# Allegro board TubiiPCB_V6.brd (continued)
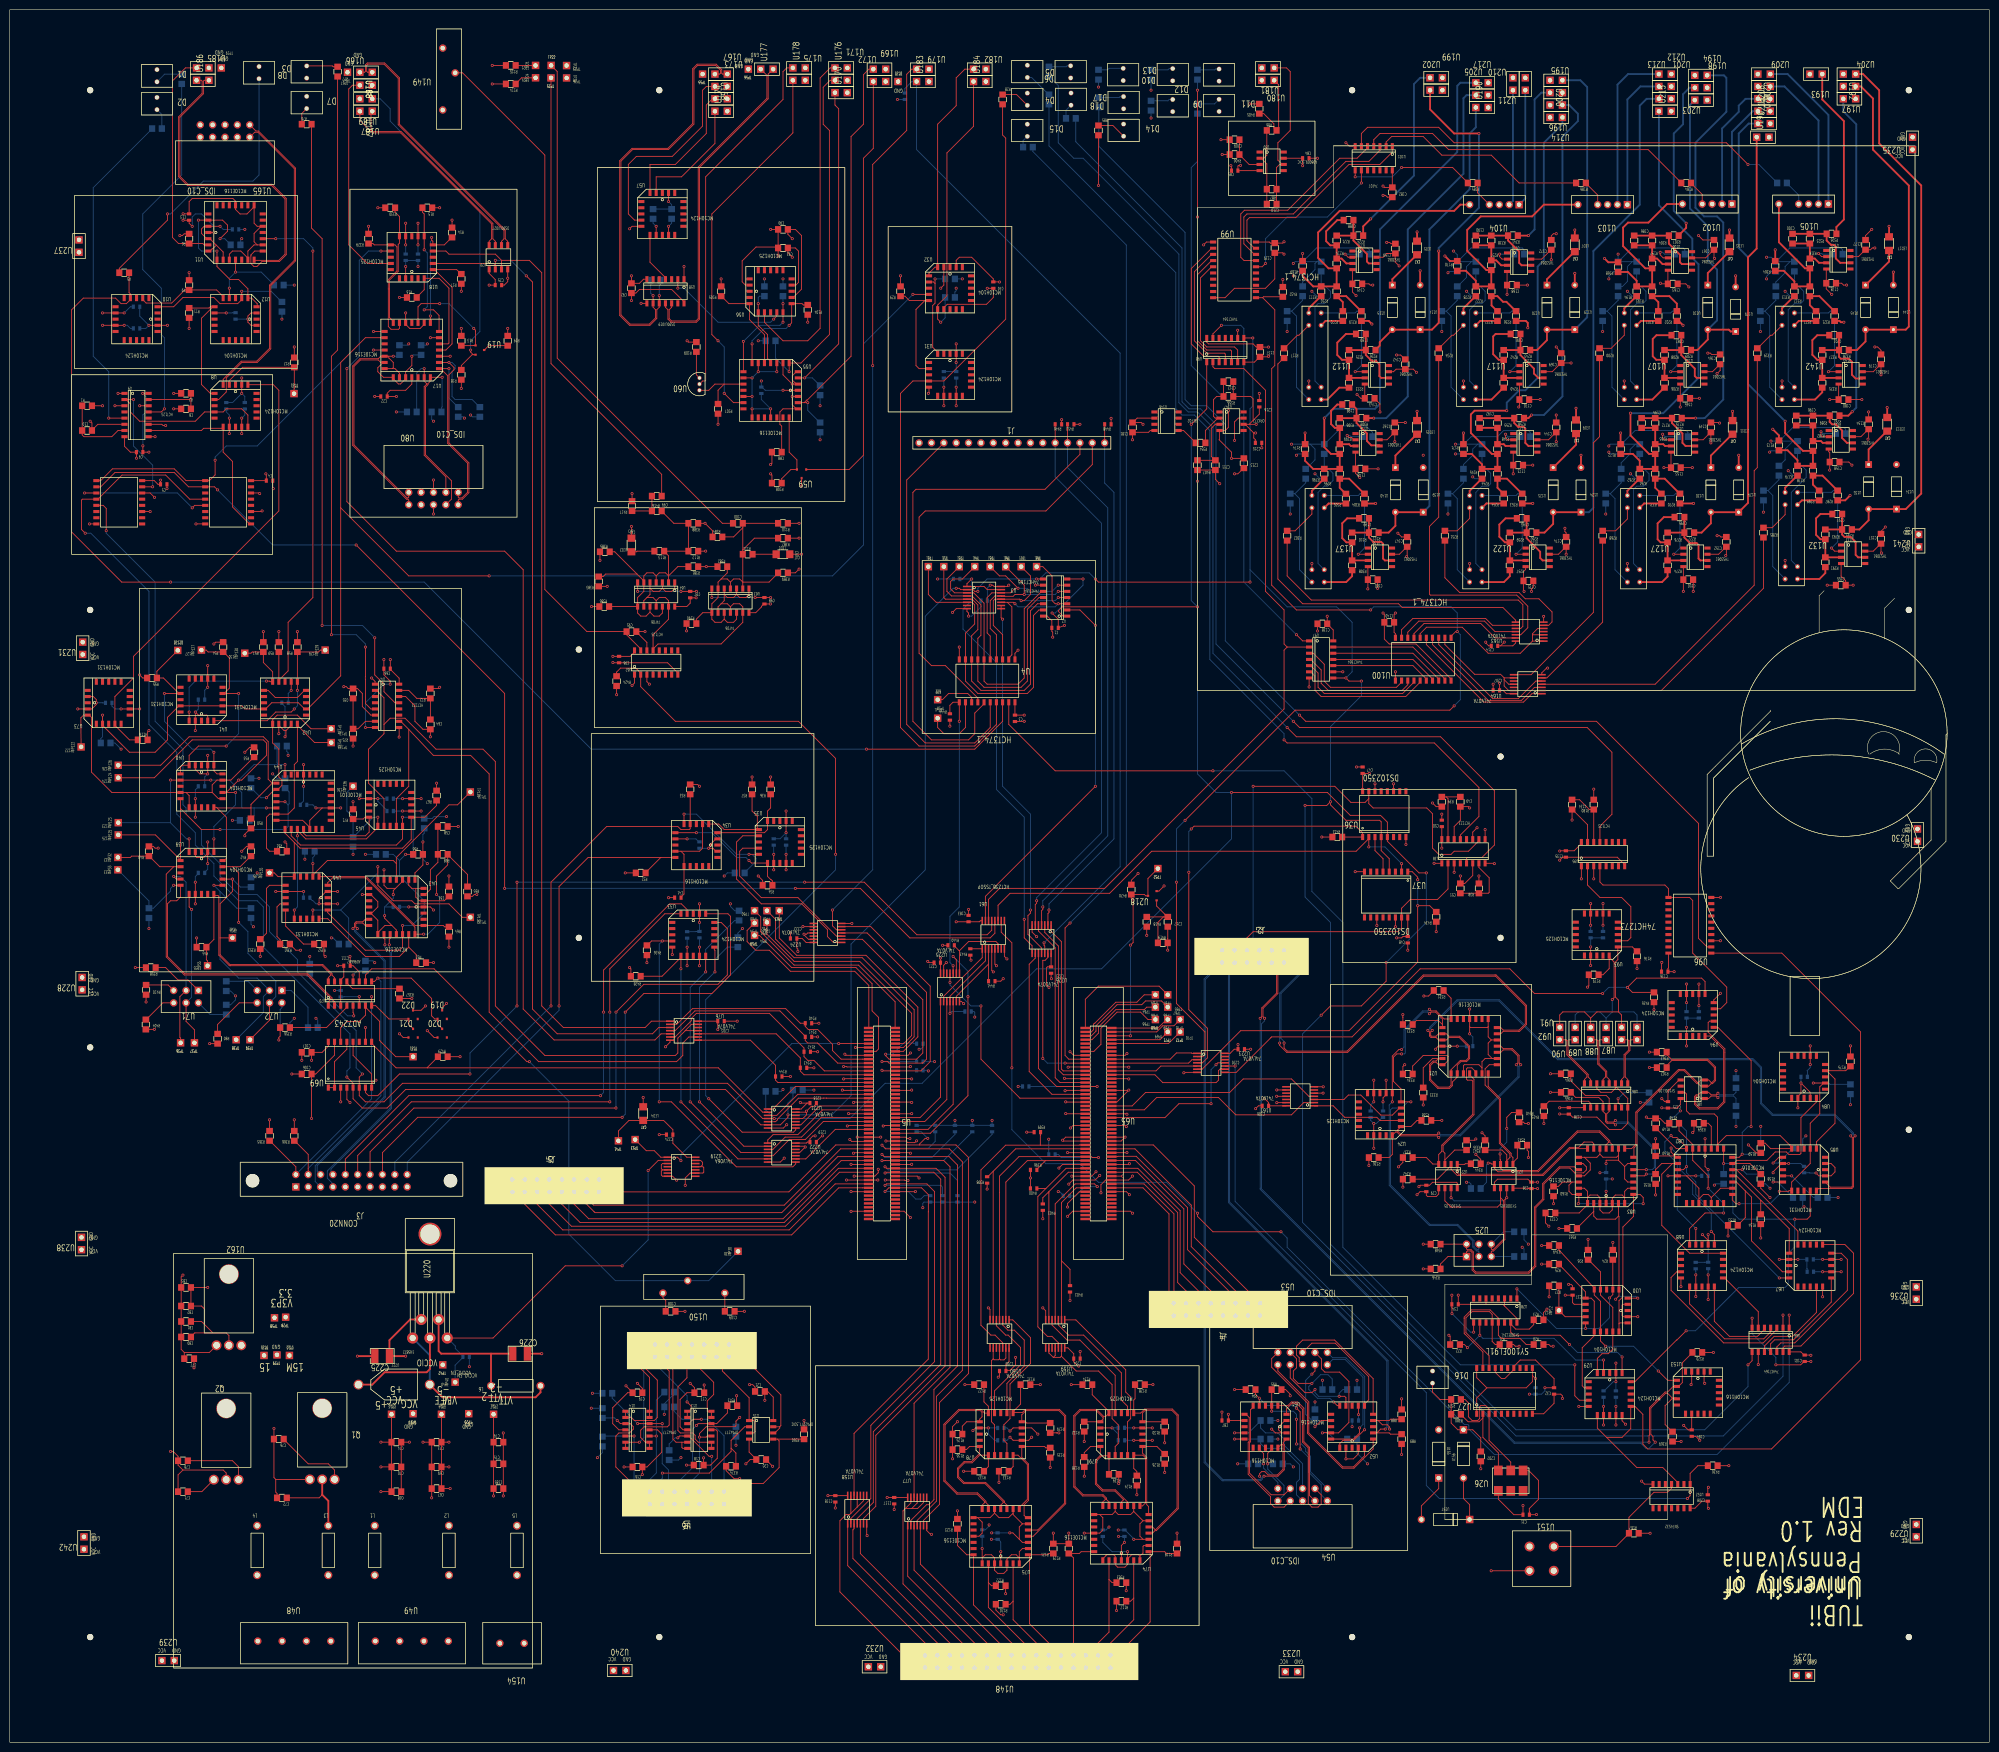
[diagram p0: board, top side]
## Routing (per net, layer and track width the routed paths; a pad name or vN(x,y) marks a point on that pad's centre or on a via; arc(x,y) is an arc through that point) (continued)
; v1(369.77,78.15) 369.38,78.55 ; v1(369.77,78.15) 369.38,77.76 ; v1(369.77,78.15) 370.17,78.55 ; v1(263.52,300.99) 263.92,301.38 ; v1(263.52,300.99) 263.92,300.6 ; v1(263.52,300.99) 263.13,301.38 ; v1(263.52,300.99) 263.13,300.6 ; U49.3 85.71,21.44 ; U49.3 84.37,20.09 ; U49.3 84.37,21.44 ; U49.3 85.71,20.09 ; v1(312.67,254.27) 313.07,253.88 ; v1(312.67,254.27) 313.07,254.66 ; v1(312.67,254.27) 312.28,253.88 ; v1(312.67,254.27) 312.28,254.66 ; v1(152.4,280.04) 152.79,280.43 ; v1(152.4,280.04) 152.01,280.43 ; v1(152.4,280.04) 152.01,279.64 ; v1(152.4,280.04) 152.79,279.64 ; 208.42,344.7 D5.1 ; D5.1 209.41,343.71 ; D5.1 208.42,343.71 ; D5.1 209.41,344.7 ; 324.8,177.61 v1(325.2,177.21) ; v1(325.2,177.21) 325.59,176.82 ; v1(325.2,177.21) 324.8,176.82 ; v1(325.2,177.21) 325.59,177.61 ; 299.96,260.11 v1(300.35,259.72) ; v1(300.35,259.72) 300.75,259.32 ; v1(300.35,259.72) 300.75,260.11 ; v1(300.35,259.72) 299.96,259.32 ; v1(172.72,113.03) 173.11,112.64 ; v1(172.72,113.03) 172.33,113.42 ; v1(172.72,113.03) 172.33,112.64 ; v1(172.72,113.03) 173.11,113.42 ; 56.12,205.98 v1(56.52,206.38) ; v1(56.52,206.38) 56.12,206.77 ; v1(56.52,206.38) 56.91,206.77 ; v1(56.52,206.38) 56.91,205.98 ; 386.04,298.41 386.71,299.08 ; 386.71,299.08 387.39,299.76 ; 386.71,299.08 387.39,298.41 ; 386.71,299.08 386.04,299.76 ; v1(260.12,133.88) 260.52,133.49 ; v1(260.12,133.88) 259.73,133.49 ; v1(260.12,133.88) 260.52,134.28 ; v1(260.12,133.88) 259.73,134.28 ; v1(230.5,108.59) 230.9,108.19 ; v1(230.5,108.59) 230.11,108.19 ; v1(230.5,108.59) 230.9,108.98 ; v1(230.5,108.59) 230.11,108.98 ; 140.9,50.75 U6.5 ; U6.5 142.25,52.1 ; U6.5 142.25,50.75 ; U6.5 140.9,52.1 ; v1(141.6,168.28) 142,167.88 ; v1(141.6,168.28) 141.21,168.67 ; v1(141.6,168.28) 142,168.67 ; v1(141.6,168.28) 141.21,167.88 ; 293.61,289.17 v1(294,289.56) ; v1(294,289.56) 293.61,289.95 ; v1(294,289.56) 294.4,289.95 ; v1(294,289.56) 294.4,289.17 ; 189.76,15.98 U148.30 ; U148.30 191.11,15.98 ; U148.30 189.76,14.63 ; U148.30 191.11,14.63 ; 281.55,317.11 v1(281.94,317.5) ; v1(281.94,317.5) 282.33,317.11 ; v1(281.94,317.5) 281.55,317.89 ; v1(281.94,317.5) 282.33,317.89 ; 188.07,159.88 v1(188.47,160.27) ; v1(188.47,160.27) 188.86,159.88 ; v1(188.47,160.27) 188.86,160.67 ; v1(188.47,160.27) 188.07,160.67 ; U197.2 377.1,339.18 ; U197.2 377.1,340.53 ; U197.2 375.75,339.18 ; U197.2 375.75,340.53 ; 184.52,121.3 v1(184.91,120.9) ; v1(184.91,120.9) 185.31,121.3 ; v1(184.91,120.9) 185.31,120.51 ; v1(184.91,120.9) 184.52,120.51 ; v1(74.68,289.56) 75.07,289.17 ; v1(74.68,289.56) 74.28,289.17 ; v1(74.68,289.56) 74.28,289.95 ; v1(74.68,289.56) 75.07,289.95 ; 134.86,316.62 v1(135.25,316.23) ; v1(135.25,316.23) 135.65,316.62 ; v1(135.25,316.23) 135.65,315.84 ; v1(135.25,316.23) 134.86,315.84 ; 346.32,308.85 v1(346.71,309.25) ; v1(346.71,309.25) 347.1,309.64 ; v1(346.71,309.25) 346.32,309.64 ; v1(346.71,309.25) 347.1,308.85 ; v1(157.75,305.07) 158.14,305.46 ; v1(157.75,305.07) 157.36,304.68 ; v1(157.75,305.07) 157.36,305.46 ; v1(157.75,305.07) 158.14,304.68 ; v1(267.33,297.81) 267.73,297.42 ; v1(267.33,297.81) 266.94,298.21 ; v1(267.33,297.81) 267.73,298.21 ; v1(267.33,297.81) 266.94,297.42 ; 263.74,13.8 U233.2 ; U233.2 265.09,13.8 ; U233.2 265.09,15.15 ; U233.2 263.74,15.15 ; 80.89,293.76 v1(81.28,293.37) ; v1(81.28,293.37) 81.67,292.98 ; v1(81.28,293.37) 81.67,293.76 ; v1(81.28,293.37) 80.89,292.98 ; 99.95,20.99 U154.2 ; U154.2 101.3,19.65 ; U154.2 101.3,20.99 ; U154.2 99.95,19.65 ; 284.59,248.55 v1(284.99,248.16) ; v1(284.99,248.16) 284.59,247.76 ; v1(284.99,248.16) 285.38,247.76 ; v1(284.99,248.16) 285.38,248.55 ; 340.45,336.64 U201.2 ; U201.2 341.8,336.64 ; U201.2 341.8,337.99 ; U201.2 340.45,337.99 ; U194.2 349.16,338.92 ; U194.2 349.16,340.27 ; U194.2 347.81,340.27 ; U194.2 347.81,338.92 ; 127.37,256.68 v1(127.76,256.29) ; v1(127.76,256.29) 128.16,256.68 ; v1(127.76,256.29) 127.37,255.89 ; v1(127.76,256.29) 128.16,255.89 ; v1(327.66,252.1) 328.05,251.7 ; v1(327.66,252.1) 328.05,252.49 ; v1(327.66,252.1) 327.27,251.7 ; v1(327.66,252.1) 327.27,252.49 ; 199.73,344.08 U182.2 ; U182.2 201.08,342.73 ; U182.2 201.08,344.08 ; U182.2 199.73,342.73 ; 238.28,88.24 J4.16 ; J4.16 238.28,86.89 ; J4.16 239.62,86.89 ; J4.16 239.62,88.24 ; 228.08,115.81 v1(228.48,116.2) ; v1(228.48,116.2) 228.87,115.81 ; v1(228.48,116.2) 228.87,116.59 ; v1(228.48,116.2) 228.08,116.59 ; 91.68,187.57 v1(92.08,187.96) ; v1(92.08,187.96) 92.47,188.35 ; v1(92.08,187.96) 92.47,187.57 ; v1(92.08,187.96) 91.68,188.35 ; D18.1 229.17,334.78 ; D18.1 229.17,335.77 ; D18.1 228.18,334.78 ; D18.1 228.18,335.77 ; v1(332.74,260.35) 333.13,259.96 ; v1(332.74,260.35) 332.35,260.74 ; v1(332.74,260.35) 333.13,260.74 ; v1(332.74,260.35) 332.35,259.96 ; U162.1 43.22,80.71 ; U162.1 41.69,80.71 ; U162.1 43.22,82.23 ; U162.1 41.69,82.23 ; 60.85,53.19 Q1.1 ; Q1.1 60.85,54.71 ; Q1.1 62.37,54.71 ; Q1.1 62.37,53.19 ; v1(134.38,67.31) 134.77,67.7 ; v1(134.38,67.31) 133.99,67.7 ; v1(134.38,67.31) 134.77,66.92 ; v1(134.38,67.31) 133.99,66.92 ; 243.36,86.89 J4.12 ; J4.12 244.7,88.24 ; J4.12 243.36,88.24 ; J4.12 244.7,86.89 ; 340.45,341.72 U213.2 ; U213.2 341.8,343.07 ; U213.2 340.45,343.07 ; U213.2 341.8,341.72 ; 302.86,339.94 U217.2 ; U217.2 304.2,339.94 ; U217.2 304.2,341.29 ; U217.2 302.86,341.29 ; J3.17 79.73,113.31 ; J3.17 78.38,114.66 ; J3.17 79.73,114.66 ; J3.17 78.38,113.31 ; v1(69.85,131.32) 70.24,130.92 ; v1(69.85,131.32) 69.46,131.71 ; v1(69.85,131.32) 69.46,130.92 ; v1(69.85,131.32) 70.24,131.71 ; U176.2 172.63,342.99 ; U176.2 171.28,344.34 ; U176.2 171.28,342.99 ; U176.2 172.63,344.34 ; J4.4 254.86,86.89 ; J4.4 254.86,88.24 ; J4.4 253.52,86.89 ; J4.4 253.52,88.24 ; 227.19,43.95 v1(227.58,43.56) ; v1(227.58,43.56) 227.98,43.95 ; v1(227.58,43.56) 227.98,43.17 ; v1(227.58,43.56) 227.19,43.17 ; v1(156.21,234.95) 156.6,234.56 ; v1(156.21,234.95) 155.82,235.34 ; v1(156.21,234.95) 156.6,235.34 ; v1(156.21,234.95) 155.82,234.56 ; U16.5 138.18,79.78 ; U16.5 136.83,78.44 ; U16.5 138.18,78.44 ; U16.5 136.83,79.78 ; 327.9,264.4 v1(328.29,264.8) ; v1(328.29,264.8) 328.69,265.19 ; v1(328.29,264.8) 328.69,264.4 ; v1(328.29,264.8) 327.9,265.19 ; 353.66,298.03 U109.2 ; U109.2 355,299.38 ; U109.2 353.66,299.38 ; U109.2 355,298.03 ; 85.97,287.9 v1(86.36,288.29) ; v1(86.36,288.29) 86.75,288.68 ; v1(86.36,288.29) 85.97,288.68 ; v1(86.36,288.29) 86.75,287.9 ; 162.67,65.65 v1(163.07,66.04) ; v1(163.07,66.04) 163.46,66.43 ; v1(163.07,66.04) 163.46,65.65 ; v1(163.07,66.04) 162.67,66.43 ; v1(171.2,136.14) 171.59,135.75 ; v1(171.2,136.14) 171.59,136.54 ; v1(171.2,136.14) 170.8,136.54 ; v1(171.2,136.14) 170.8,135.75 ; v1(304.55,217.17) 304.94,216.78 ; v1(304.55,217.17) 304.15,216.78 ; v1(304.55,217.17) 304.15,217.56 ; v1(304.55,217.17) 304.94,217.56 ; 152.01,276.62 v1(152.4,276.23) ; v1(152.4,276.23) 152.79,276.62 ; v1(152.4,276.23) 152.79,275.83 ; v1(152.4,276.23) 152.01,275.83 ; v1(38.1,207.64) 38.49,208.04 ; v1(38.1,207.64) 38.49,207.25 ; v1(38.1,207.64) 37.71,208.04 ; v1(38.1,207.64) 37.71,207.25 ; 350.63,270.37 v1(351.03,270.76) ; v1(351.03,270.76) 351.42,271.16 ; v1(351.03,270.76) 350.63,271.16 ; v1(351.03,270.76) 351.42,270.37 ; U220.3 87.26,83.95 ; U220.3 85.29,83.95 ; U220.3 87.26,81.98 ; U220.3 85.29,81.98 ; TP28.1 57.32,86.58 ; TP28.1 55.97,86.58 ; TP28.1 57.32,87.92 ; TP28.1 55.97,87.92 ; U173.2 147.99,337.99 ; U173.2 146.65,336.64 ; U173.2 146.65,337.99 ; U173.2 147.99,336.64 ; 275.2,65.16 v1(275.59,64.77) ; v1(275.59,64.77) 275.98,65.16 ; v1(275.59,64.77) 275.98,64.38 ; v1(275.59,64.77) 275.2,64.38 ; v1(345.52,125.14) 345.91,124.75 ; v1(345.52,125.14) 345.12,124.75 ; v1(345.52,125.14) 345.91,125.54 ; v1(345.52,125.14) 345.12,125.54 ; 204.91,42.58 v1(205.31,42.98) ; v1(205.31,42.98) 205.7,43.37 ; v1(205.31,42.98) 205.7,42.58 ; v1(205.31,42.98) 204.91,43.37 ; v1(159,119.89) 159.4,119.49 ; v1(159,119.89) 158.61,119.49 ; v1(159,119.89) 158.61,120.28 ; v1(159,119.89) 159.4,120.28 ; 42.76,344.34 TP19.1 ; TP19.1 42.76,342.99 ; TP19.1 44.11,344.34 ; TP19.1 44.11,342.99 ; 76.44,178.68 v1(76.84,179.07) ; v1(76.84,179.07) 77.23,178.68 ; v1(76.84,179.07) 77.23,179.46 ; v1(76.84,179.07) 76.44,179.46 ; v1(41.04,143.4) 41.43,143 ; v1(41.04,143.4) 40.64,143 ; v1(41.04,143.4) 41.43,143.79 ; v1(41.04,143.4) 40.64,143.79 ; U209.2 362.12,336.64 ; U209.2 360.77,336.64 ; U209.2 362.12,337.99 ; U209.2 360.77,337.99 ; 40.25,180.73 v1(40.64,180.34) ; v1(40.64,180.34) 41.03,180.73 ; v1(40.64,180.34) 41.03,179.95 ; v1(40.64,180.34) 40.25,179.95 ; v1(248.87,67.77) 249.26,67.37 ; v1(248.87,67.77) 248.48,67.37 ; v1(248.87,67.77) 248.48,68.16 ; v1(248.87,67.77) 249.26,68.16 ; 26.28,273.93 v1(26.67,274.32) ; v1(26.67,274.32) 26.28,274.71 ; v1(26.67,274.32) 27.06,273.93 ; v1(26.67,274.32) 27.06,274.71 ; v1(38.23,250.06) 38.62,249.67 ; v1(38.23,250.06) 38.62,250.46 ; v1(38.23,250.06) 37.83,249.67 ; v1(38.23,250.06) 37.83,250.46 ; v1(157.48,281.31) 157.87,281.7 ; v1(157.48,281.31) 157.09,280.91 ; v1(157.48,281.31) 157.87,280.91 ; v1(157.48,281.31) 157.09,281.7 ; U228.2 15.53,157.65 ; U228.2 14.19,157.65 ; U228.2 15.53,156.3 ; U228.2 14.19,156.3 ; 261.86,289.95 v1(262.25,289.56) ; v1(262.25,289.56) 262.65,289.95 ; v1(262.25,289.56) 261.86,289.17 ; v1(262.25,289.56) 262.65,289.17 ; TP27.1 83.48,68.11 ; TP27.1 83.48,66.76 ; TP27.1 82.13,68.11 ; TP27.1 82.13,66.76 ; 146.65,339.18 U167.2 ; U167.2 147.99,339.18 ; U167.2 146.65,340.53 ; U167.2 147.99,340.53 ; 181.19,48.17 v1(181.58,47.78) ; v1(181.58,47.78) 181.19,47.38 ; v1(181.58,47.78) 181.98,47.38 ; v1(181.58,47.78) 181.98,48.17 ; v1(329.75,74.01) 330.14,73.62 ; v1(329.75,74.01) 329.35,73.62 ; v1(329.75,74.01) 329.35,74.4 ; v1(329.75,74.01) 330.14,74.4 ; 248.44,86.89 J4.8 ; J4.8 248.44,88.24 ; J4.8 249.78,88.24 ; J4.8 249.78,86.89 ; U16.12 145.8,80.98 ; U16.12 145.8,82.32 ; U16.12 144.45,80.98 ; U16.12 144.45,82.32 ; v1(359.41,289.56) 359.8,289.17 ; v1(359.41,289.56) 359.8,289.95 ; v1(359.41,289.56) 359.02,289.17 ; v1(359.41,289.56) 359.02,289.95 ; 384.67,249.03 v1(385.06,249.43) ; v1(385.06,249.43) 385.46,249.03 ; v1(385.06,249.43) 385.46,249.82 ; v1(385.06,249.43) 384.67,249.82 ; 172.33,108.57 v1(172.72,108.97) ; v1(172.72,108.97) 173.11,109.36 ; v1(172.72,108.97) 173.11,108.57 ; v1(172.72,108.97) 172.33,109.36 ; 29.31,146.71 v1(29.7,146.32) ; v1(29.7,146.32) 29.31,145.93 ; v1(29.7,146.32) 30.1,146.71 ; v1(29.7,146.32) 30.1,145.93 ; 204.33,160.39 v1(204.72,160.78) ; v1(204.72,160.78) 205.12,161.18 ; v1(204.72,160.78) 205.12,160.39 ; v1(204.72,160.78) 204.33,161.18 ; 15.99,250.46 v1(16.38,250.06) ; v1(16.38,250.06) 16.78,249.67 ; v1(16.38,250.06) 15.99,249.67 ; v1(16.38,250.06) 16.78,250.46 ; v1(74.93,276.23) 75.32,276.62 ; v1(74.93,276.23) 75.32,275.83 ; v1(74.93,276.23) 74.54,275.83 ; v1(74.93,276.23) 74.54,276.62 ; v1(201.07,44.61) 201.46,44.22 ; v1(201.07,44.61) 200.68,44.22 ; v1(201.07,44.61) 201.46,45 ; v1(201.07,44.61) 200.68,45 ; v1(334.23,87.35) 334.63,86.95 ; v1(334.23,87.35) 333.84,86.95 ; v1(334.23,87.35) 334.63,87.74 ; v1(334.23,87.35) 333.84,87.74 ; v1(81.28,302.89) 81.67,302.5 ; v1(81.28,302.89) 81.67,303.29 ; v1(81.28,302.89) 80.89,303.29 ; v1(81.28,302.89) 80.89,302.5 ; v1(260.13,131.28) 260.53,130.89 ; v1(260.13,131.28) 259.74,130.89 ; v1(260.13,131.28) 259.74,131.68 ; v1(260.13,131.28) 260.53,131.68 ; v1(176.02,42.42) 176.42,42.81 ; v1(176.02,42.42) 175.63,42.81 ; v1(176.02,42.42) 175.63,42.02 ; v1(176.02,42.42) 176.42,42.02 ; U148.2 226.67,14.63 ; U148.2 225.32,15.98 ; U148.2 225.32,14.63 ; U148.2 226.67,15.98 ; v1(361.31,264.8) 361.71,265.19 ; v1(361.31,264.8) 360.92,265.19 ; v1(361.31,264.8) 360.92,264.4 ; v1(361.31,264.8) 361.71,264.4 ; 347.12,104.58 v1(347.51,104.19) ; v1(347.51,104.19) 347.91,104.58 ; v1(347.51,104.19) 347.91,103.79 ; v1(347.51,104.19) 347.12,103.79 ; 184.77,135.75 v1(185.17,136.14) ; v1(185.17,136.14) 184.77,136.54 ; v1(185.17,136.14) 185.56,136.54 ; v1(185.17,136.14) 185.56,135.75 ; 327.9,299.96 v1(328.29,300.36) ; v1(328.29,300.36) 328.69,300.75 ; v1(328.29,300.36) 327.9,300.75 ; v1(328.29,300.36) 328.69,299.96 ; J2.7 257.21,159.35 ; J2.7 255.87,160.69 ; J2.7 255.87,159.35 ; J2.7 257.21,160.69 ; U6.6 142.25,48.21 ; U6.6 142.25,49.56 ; U6.6 140.9,49.56 ; U6.6 140.9,48.21 ; v1(243.84,258.83) 244.23,259.22 ; v1(243.84,258.83) 243.45,259.22 ; v1(243.84,258.83) 243.45,258.43 ; v1(243.84,258.83) 244.23,258.43 ; 51.04,161.68 v1(51.44,161.29) ; v1(51.44,161.29) 51.83,160.9 ; v1(51.44,161.29) 51.83,161.68 ; v1(51.44,161.29) 51.04,160.9 ; U16.6 138.18,82.32 ; U16.6 136.83,82.32 ; U16.6 136.83,80.98 ; U16.6 138.18,80.98 ; v1(162.56,243.84) 162.95,243.45 ; v1(162.56,243.84) 162.17,243.45 ; v1(162.56,243.84) 162.95,244.23 ; v1(162.56,243.84) 162.17,244.23 ; 216.14,136.66 v1(216.53,136.27) ; v1(216.53,136.27) 216.93,135.88 ; v1(216.53,136.27) 216.93,136.66 ; v1(216.53,136.27) 216.14,135.88 ; v1(248.41,258.32) 248.81,257.92 ; v1(248.41,258.32) 248.02,258.71 ; v1(248.41,258.32) 248.81,258.71 ; v1(248.41,258.32) 248.02,257.92 ; 188.05,340.19 U183.2 ; U183.2 189.4,340.19 ; U183.2 188.05,341.54 ; U183.2 189.4,341.54 ; 55.26,20.09 U48.2 ; U48.2 56.6,20.09 ; U48.2 56.6,21.44 ; U48.2 55.26,21.44 ; 222.78,14.63 U148.4 ; U148.4 224.13,15.98 ; U148.4 222.78,15.98 ; U148.4 224.13,14.63 ; 141.57,343.07 TP55.1 ; TP55.1 142.91,343.07 ; TP55.1 142.91,341.72 ; TP55.1 141.57,341.72 ; v1(299.72,145.41) 300.11,145.02 ; v1(299.72,145.41) 299.33,145.02 ; v1(299.72,145.41) 300.11,145.81 ; v1(299.72,145.41) 299.33,145.81 ; U207.2 359.58,340.53 ; U207.2 358.23,340.53 ; U207.2 358.23,339.18 ; U207.2 359.58,339.18 ; U174.2 147.99,335.45 ; U174.2 146.65,334.1 ; U174.2 146.65,335.45 ; U174.2 147.99,334.1 ; v1(144.15,234.95) 144.54,235.34 ; v1(144.15,234.95) 143.75,234.56 ; v1(144.15,234.95) 143.75,235.34 ; v1(144.15,234.95) 144.54,234.56 ; v1(254.76,142.24) 255.16,141.85 ; v1(254.76,142.24) 254.37,141.85 ; v1(254.76,142.24) 255.16,142.63 ; v1(254.76,142.24) 254.37,142.63 ; U184.2 201.08,341.54 ; U184.2 199.73,341.54 ; U184.2 199.73,340.19 ; U184.2 201.08,340.19 ; v1(141.6,172.09) 142,172.48 ; v1(141.6,172.09) 141.21,171.69 ; v1(141.6,172.09) 141.21,172.48 ; v1(141.6,172.09) 142,171.69 ; v1(136.91,115.37) 137.3,115.76 ; v1(136.91,115.37) 136.51,114.97 ; v1(136.91,115.37) 136.51,115.76 ; v1(136.91,115.37) 137.3,114.97 ; v1(127.76,216.92) 128.16,216.52 ; v1(127.76,216.92) 127.37,216.52 ; v1(127.76,216.92) 127.37,217.31 ; v1(127.76,216.92) 128.16,217.31 ; U124.2 323.25,262.29 ; U124.2 323.25,260.95 ; U124.2 321.91,260.95 ; U124.2 321.91,262.29 ; 364.73,260.59 v1(365.12,260.99) ; v1(365.12,260.99) 365.52,260.59 ; v1(365.12,260.99) 365.52,261.38 ; v1(365.12,260.99) 364.73,261.38 ; 29.45,268.36 v1(29.85,267.97) ; v1(29.85,267.97) 30.24,268.36 ; v1(29.85,267.97) 29.45,267.58 ; v1(29.85,267.97) 30.24,267.58 ; 48.5,291.71 v1(48.89,292.1) ; v1(48.89,292.1) 49.29,291.71 ; v1(48.89,292.1) 48.5,292.49 ; v1(48.89,292.1) 49.29,292.49 ; 359.65,252.87 v1(360.04,252.48) ; v1(360.04,252.48) 359.65,252.08 ; v1(360.04,252.48) 360.44,252.08 ; v1(360.04,252.48) 360.44,252.87 ; v1(282.7,307.85) 283.1,308.24 ; v1(282.7,307.85) 282.31,307.45 ; v1(282.7,307.85) 283.1,307.45 ; v1(282.7,307.85) 282.31,308.24 ; 72,173.6 v1(72.39,173.99) ; v1(72.39,173.99) 72.78,174.38 ; v1(72.39,173.99) 72.78,173.6 ; v1(72.39,173.99) 72,174.38 ; v1(324.56,159.43) 324.95,159.04 ; v1(324.56,159.43) 324.17,159.04 ; v1(324.56,159.43) 324.17,159.83 ; v1(324.56,159.43) 324.95,159.83 ; v1(304.8,180.34) 305.19,180.73 ; v1(304.8,180.34) 304.41,180.73 ; v1(304.8,180.34) 304.41,179.95 ; v1(304.8,180.34) 305.19,179.95 ; 92.32,277.48 v1(92.71,277.88) ; v1(92.71,277.88) 93.1,277.48 ; v1(92.71,277.88) 92.32,278.27 ; v1(92.71,277.88) 93.1,278.27 ; 193.15,231.51 v1(193.55,231.9) ; v1(193.55,231.9) 193.15,232.3 ; v1(193.55,231.9) 193.94,231.51 ; v1(193.55,231.9) 193.94,232.3 ; 361.56,269.1 v1(361.95,269.49) ; v1(361.95,269.49) 362.34,269.89 ; v1(361.95,269.49) 361.56,269.89 ; v1(361.95,269.49) 362.34,269.1 ; D13.2 229.1,341.56 ; D13.2 229.1,340.57 ; D13.2 228.1,340.57 ; D13.2 228.1,341.56 ; v1(368.38,109.9) 368.77,110.3 ; v1(368.38,109.9) 367.98,109.51 ; v1(368.38,109.9) 367.98,110.3 ; v1(368.38,109.9) 368.77,109.51 ; v1(215.39,117.86) 215.79,117.46 ; v1(215.39,117.86) 215,118.25 ; v1(215.39,117.86) 215,117.46 ; v1(215.39,117.86) 215.79,118.25 ; v1(189.23,42.67) 189.62,43.07 ; v1(189.23,42.67) 189.62,42.28 ; v1(189.23,42.67) 188.84,43.07 ; v1(189.23,42.67) 188.84,42.28 ; 247.79,341.43 D12.1 ; D12.1 248.78,340.44 ; D12.1 247.79,340.44 ; D12.1 248.78,341.43 ; 348.35,52.72 v1(348.74,52.32) ; v1(348.74,52.32) 348.35,51.93 ; v1(348.74,52.32) 349.14,52.72 ; v1(348.74,52.32) 349.14,51.93 ; v1(22.22,276.86) 22.62,276.47 ; v1(22.22,276.86) 22.62,277.25 ; v1(22.22,276.86) 21.83,276.47 ; v1(22.22,276.86) 21.83,277.25 ; v1(26.01,263.55) 26.4,263.94 ; v1(26.01,263.55) 25.62,263.16 ; v1(26.01,263.55) 25.62,263.94 ; v1(26.01,263.55) 26.4,263.16 ; U148.28 193.65,15.98 ; U148.28 193.65,14.63 ; U148.28 192.3,14.63 ; U148.28 192.3,15.98 ; 364.1,298.21 v1(364.49,297.81) ; v1(364.49,297.81) 364.88,297.42 ; v1(364.49,297.81) 364.88,298.21 ; v1(364.49,297.81) 364.1,297.42 ; U148.18 206.35,14.63 ; U148.18 206.35,15.98 ; U148.18 205,15.98 ; U148.18 205,14.63 ; U241.2 392.6,247.23 ; U241.2 391.25,247.23 ; U241.2 392.6,248.58 ; U241.2 391.25,248.58 ; 288.89,299.76 289.56,299.08 ; 289.56,299.08 290.23,299.76 ; 289.56,299.08 290.23,298.41 ; 289.56,299.08 288.89,298.41 ; 70.89,74.12 U227.2 ; U227.2 70.89,72.69 ; U227.2 72.32,74.12 ; U227.2 72.32,72.69 ; v1(280.83,236.86) 281.22,236.46 ; v1(280.83,236.86) 281.22,237.25 ; v1(280.83,236.86) 280.44,237.25 ; v1(280.83,236.86) 280.44,236.46 ; 219.95,238.37 v1(220.34,238.76) ; v1(220.34,238.76) 220.74,239.15 ; v1(220.34,238.76) 220.74,238.37 ; v1(220.34,238.76) 219.95,239.15 ; 320.92,301.1 v1(321.31,301.5) ; v1(321.31,301.5) 320.92,301.89 ; v1(321.31,301.5) 321.7,301.1 ; v1(321.31,301.5) 321.7,301.89 ; v1(101.33,63.48) 101.72,63.09 ; v1(101.33,63.48) 101.72,63.88 ; v1(101.33,63.48) 100.94,63.88 ; v1(101.33,63.48) 100.94,63.09 ; 158.99,186.3 v1(159.38,186.69) ; v1(159.38,186.69) 159.78,187.08 ; v1(159.38,186.69) 159.78,186.3 ; v1(159.38,186.69) 158.99,187.08 ; 390.74,45.38 U229.2 ; U229.2 392.09,44.03 ; U229.2 392.09,45.38 ; U229.2 390.74,44.03 ; v1(63.5,172.09) 63.89,172.48 ; v1(63.5,172.09) 63.11,172.48 ; v1(63.5,172.09) 63.89,171.69 ; v1(63.5,172.09) 63.11,171.69 ; v1(274.32,58.17) 274.71,58.56 ; v1(274.32,58.17) 274.71,57.77 ; v1(274.32,58.17) 273.93,58.56 ; v1(274.32,58.17) 273.93,57.77 ; 60.46,338.32 D7.1 ; D7.1 61.46,338.32 ; D7.1 60.46,337.32 ; D7.1 61.46,337.32 ; 216.14,228.84 v1(216.53,229.24) ; v1(216.53,229.24) 216.14,229.63 ; v1(216.53,229.24) 216.93,228.84 ; v1(216.53,229.24) 216.93,229.63 ; 220.21,43.32 v1(220.6,42.93) ; v1(220.6,42.93) 220.99,43.32 ; v1(220.6,42.93) 220.99,42.53 ; v1(220.6,42.93) 220.21,42.53 ; v1(156.21,310.51) 156.6,310.91 ; v1(156.21,310.51) 155.82,310.12 ; v1(156.21,310.51) 156.6,310.12 ; v1(156.21,310.51) 155.82,310.91 ; 258.69,63.87 v1(259.08,64.26) ; v1(259.08,64.26) 259.47,63.87 ; v1(259.08,64.26) 259.47,64.66 ; v1(259.08,64.26) 258.69,64.66 ; 228.97,141.74 v1(229.36,141.35) ; v1(229.36,141.35) 228.97,140.96 ; v1(229.36,141.35) 229.76,140.96 ; v1(229.36,141.35) 229.76,141.74 ; 143.09,183.88 v1(143.48,183.49) ; v1(143.48,183.49) 143.09,183.1 ; v1(143.48,183.49) 143.88,183.88 ; v1(143.48,183.49) 143.88,183.1 ; 159.12,127.14 v1(159.51,126.75) ; v1(159.51,126.75) 159.91,126.35 ; v1(159.51,126.75) 159.12,126.35 ; v1(159.51,126.75) 159.91,127.14 ; 188.05,342.73 U179.2 ; U179.2 188.05,344.08 ; U179.2 189.4,344.08 ; U179.2 189.4,342.73 ; v1(357.71,87.04) 358.1,86.65 ; v1(357.71,87.04) 358.1,87.44 ; v1(357.71,87.04) 357.31,87.44 ; v1(357.71,87.04) 357.31,86.65 ; v1(318.21,181.05) 318.6,180.66 ; v1(318.21,181.05) 317.82,181.44 ; v1(318.21,181.05) 317.82,180.66 ; v1(318.21,181.05) 318.6,181.44 ; v1(40.64,202.56) 41.03,202.96 ; v1(40.64,202.56) 41.03,202.17 ; v1(40.64,202.56) 40.25,202.17 ; v1(40.64,202.56) 40.25,202.96 ; v1(76.96,169.67) 77.35,169.28 ; v1(76.96,169.67) 76.57,169.28 ; v1(76.96,169.67) 76.57,170.06 ; v1(76.96,169.67) 77.35,170.06 ; v1(195.83,151.6) 196.23,152 ; 